# Altium PCB Audio_Research.PcbDoc (part 4 of 4)
Units mil, origin at the board's own origin, x right, y up, seen from the top; angles counter-clockwise.
Board outline 4000 x 3000 mil, 4 copper layers (Top Layer, Signal Layer 1, Signal Layer 2, Bottom Layer), stack 64.6 mil thick; 296 components, 284 nets, 1359 pads, 585 vias.
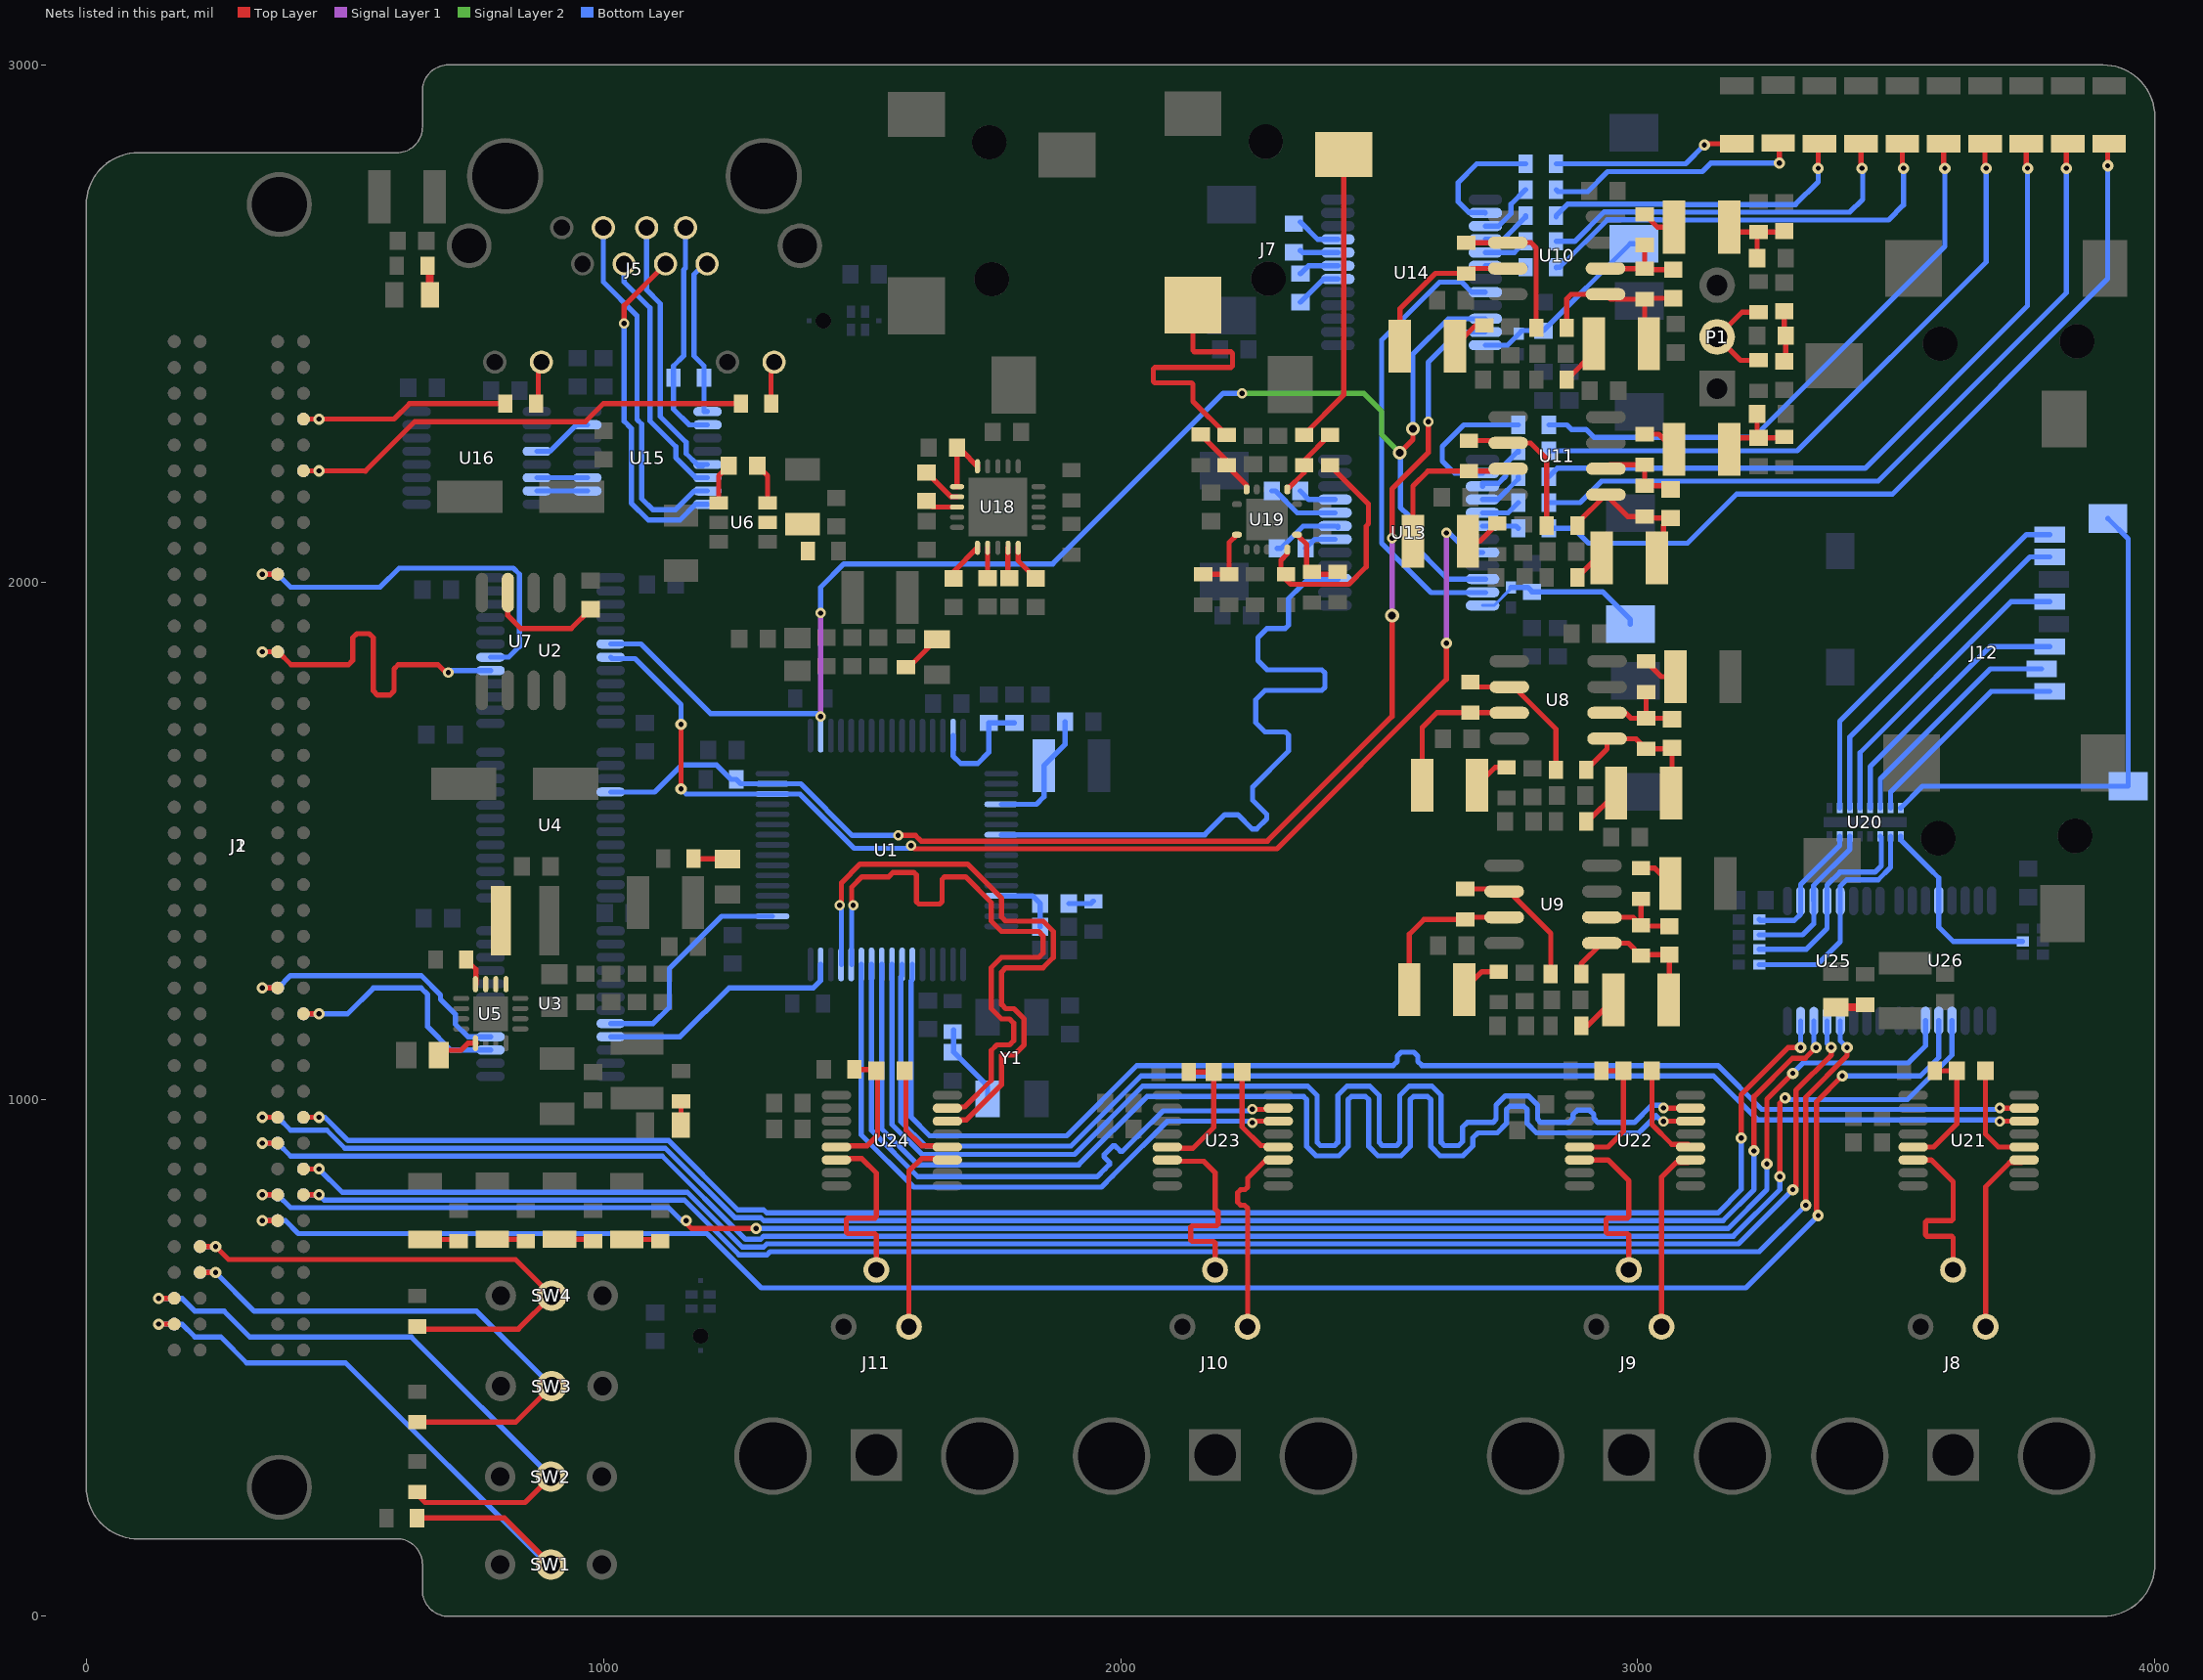
[diagram p6: the nets of this part, all layers, seen from the top]

## Via types
v1: diameter 22, hole 10, Top Layer to Bottom Layer, tented both sides, 366 vias
v2: diameter 20, hole 10, Top Layer to Bottom Layer, tented both sides, 170 vias
v3: diameter 27, hole 15, Top Layer to Bottom Layer, tented both sides, 32 vias
v4: diameter 30, hole 15, Top Layer to Bottom Layer, tented both sides, 7 vias
v5: diameter 75, hole 50, Top Layer to Bottom Layer, tented both sides, 4 vias
v6: diameter 20, hole 10, Top Layer to Bottom Layer, 3 vias
v7: diameter 35, hole 15, Top Layer to Bottom Layer, tented both sides, 3 vias

## Nets (pads, with @x,y where several pads share a name; then routed paths per layer and width w, separated by ;. In a path a pad name is that pad's centre, name@x,y a point inside that pad or via, vN(x,y) a via of type N, cw(c..) or ccw(c..) an arc to the next point about the centre after c; other vN are vias at no path point) (continued)
MIC_PREAMP.MIC_PREAMP_R_P: U1.55 U13.15 | length 1456.1
  Bottom Layer w10: U1.55@1769.31,1511.24 2162.96,1511.24 2201.66,1549.95 2226.92,1549.95 2254.41,1522.46 2263.09,1522.46 2282.69,1542.06 2282.69,1550.74 2255.2,1578.23 2255.2,1603.49 2324.83,1673.12 2324.83,1704.12 2318.69,1710.26 2279.38,1710.26 2261.52,1728.12 2261.52,1772.4 2279.38,1790.26 2389.09,1790.26 2395.24,1796.4 2395.24,1824.12 2389.09,1830.26 2283.34,1830.26 2265.48,1848.12 2265.48,1892.4 2283.34,1910.26 2318.69,1910.26 2324.83,1916.4 2324.83,1968.12 2350.54,1993.83 2361.99,2005.28 U13.15@2420.47,2005.28
NetC2_2: C2.2 R1.1 Y1.3 | length 160.1
  Bottom Layer w10: R1.1@1677.28,1133.75 1677.28,1090.84 1742.8,1025.33 Y1.3@1742.8,1000.8
NetC3_2: C3.2 C5.1 U1.52 | length 250.6
  Bottom Layer w10: U1.52@1769.31,1570.3 1837.33,1570.3 1851.85,1584.81 C5.1@1851.85,1645 1892.44,1685.59 C3.2@1892.44,1730
NetC4_2: C4.2 C6.2 U1.61 | length 126.6
  Bottom Layer w10: U1.61@1769.31,1393.13 1829.87,1393.13 C6.2@1844.72,1378.28 C4.2@1844.72,1333.28
NetC6_1: C6.1 R2.2 | length 49.3
  Bottom Layer w10: C6.1@1899.84,1378.28 1942.76,1378.28 R2.2@1947.28,1382.81
NetC9_2: C9.2 C10.1 U1.47 | length 230.2
  Bottom Layer w10: U1.47@1676.01,1702.96 1676.01,1663.93 1690.96,1648.99 1723.65,1648.99 1745,1670.33 C10.1@1745,1727.44 C9.2@1795,1727.44
NetC27_2: C27.2 R6.1 U6.2
NetC33_2: C33.2 U5.9 | length 77.5
  Top Layer w10: C33.2@681.5,1094.53 724.53,1094.53 738.07,1108.07 U5.9@753.39,1108.07
NetC34_1: C34.1 U6.3 | length 80.5
  Top Layer w10: C34.1@1297.56,2225 1317.24,2205.31 U6.3@1317.24,2152.64
NetC34_2: C34.2 U6.4 | length 80.5
  Top Layer w10: U6.4@1222.76,2152.64 1222.76,2205.31 C34.2@1242.44,2225
NetC47_2: C47.2 U7.3 | length 230.4
  Top Layer w10: U7.3@815,1979.49 815,1935 840,1910 937.56,1910 C47.2@975,1947.44
NetC50_1: C50.1 R21.1 R22.2 U8.2 | length 181.6
  Top Layer w10: U8.2@2940.87,1747.01 2976.38,1747.01 2986.85,1736.54 R21.1@3016.38,1736.54 ; R22.2@3016.38,1787.48 R21.1@3016.38,1736.54 ; C50.1@3066.38,1734.57 3064.41,1736.54 R21.1@3016.38,1736.54
NetC50_2: C50.2 C54.1 R21.2 R24.1 U8.1 | length 299.2
  Top Layer w10: R24.1@2900.91,1637.01 2940.87,1676.97 U8.1@2940.87,1697.01 2996.85,1697.01 R21.2@3016.38,1677.48 3064.41,1677.48 C50.2@3066.38,1679.45 3066.38,1593.86 C54.1@3064.53,1592.01
NetC53_2: C53.2 R22.1 | length 69.1
  Top Layer w10: R22.1@3016.38,1846.54 3045.91,1817.01 C53.2@3073.23,1817.01
NetC54_2: C54.2 R23.1 | length 80.1
  Top Layer w10: R23.1@2900.91,1537.01 2903.23,1537.01 C54.2@2958.23,1592.01
NetC56_1: C56.1 R25.2 U8.7 | length 292.6
  Top Layer w10: C56.1@2583.23,1607.01 2583.23,1718.86 2611.85,1747.48 R25.2@2676.38,1747.48 2751.42,1747.48 U8.7@2751.89,1747.01
NetC56_2: C56.2 R26.1 | length 71.2
  Top Layer w10: C56.2@2689.53,1607.01 2724.06,1641.54 R26.1@2746.38,1641.54
NetC59_1: C59.1 R27.1 R28.2 U9.2 | length 188.6
  Top Layer w10: U9.2@2930.87,1351.69 2991.22,1351.69 R27.1@3006.38,1336.54 ; R28.2@3006.38,1387.48 R27.1@3006.38,1336.54 ; C59.1@3061.38,1334.57 3008.35,1334.57 R27.1@3006.38,1336.54
NetC59_2: C59.2 C63.1 R27.2 R30.2 U9.1 | length 305.8
  Top Layer w10: R30.2@2890.91,1242.01 2890.91,1261.73 U9.1@2930.87,1301.69 2982.17,1301.69 R27.2@3006.38,1277.48 3008.35,1279.45 C59.2@3061.38,1279.45 3061.38,1193.86 C63.1@3059.53,1192.01
NetC61_2: C61.2 R28.1 | length 69.2
  Top Layer w10: R28.1@3006.38,1446.54 3033.39,1446.54 C61.2@3063.23,1416.69
NetC63_2: C63.2 R29.1 | length 83
  Top Layer w10: R29.1@2890.91,1142.01 2903.23,1142.01 C63.2@2953.23,1192.01
NetC65_1: C65.1 R31.2 U9.7 | length 304.1
  Top Layer w10: C65.1@2558.23,1212.01 2558.23,1318.86 2586.85,1347.48 R31.2@2666.38,1347.48 2670.59,1351.69 U9.7@2741.89,1351.69
NetC65_2: C65.2 R32.1 | length 81.2
  Top Layer w10: C65.2@2664.53,1212.01 2699.06,1246.54 R32.1@2731.38,1246.54
NetC68_1: C68.1 R33.1 R34.2 U10.2 | length 177.8
  Top Layer w10: U10.2@2937.83,2606.34 2938.31,2605.87 R33.1@3013.66,2605.87 ; R34.2@3013.66,2651.81 R33.1@3013.66,2605.87 ; C68.1@3068.66,2603.9 3015.63,2603.9 R33.1@3013.66,2605.87
NetC68_2: C68.2 C73.1 R33.2 R36.1 U10.1 | length 359.9
  Top Layer w10: R36.1@2862.87,2491.34 2862.87,2547.87 2871.34,2556.34 U10.1@2937.83,2556.34 2947.36,2546.81 R33.2@3013.66,2546.81 ; C73.1@3021.5,2460.71 3013.66,2468.55 R33.2@3013.66,2546.81 ; C68.2@3068.66,2548.78 3015.63,2548.78 R33.2@3013.66,2546.81
NetC71_2: C71.2 C72.1 C74.1 R37.2 | length 163.1
  Top Layer w10: C72.1@3176.81,2686.34 3186.34,2676.81 R37.2@3233.66,2676.81 ; C71.2@3231.1,2626.34 3231.1,2674.25 R37.2@3233.66,2676.81 ; C74.1@3283.66,2678.78 3281.69,2676.81 R37.2@3233.66,2676.81
NetC72_2: C72.2 R34.1 | length 67
  Top Layer w10: R34.1@3013.66,2710.87 3038.19,2686.34 C72.2@3070.51,2686.34
NetC73_2: C73.2 R35.1 | length 91
  Top Layer w10: R35.1@2862.87,2391.34 2915.2,2443.66 C73.2@2915.2,2460.71
NetC77_1: C77.1 R38.2 U10.7 | length 312.9
  Top Layer w10: C77.1@2540.2,2456.34 2540.2,2528.2 2608.82,2596.82 R38.2@2668.66,2596.82 2678.18,2606.34 U10.7@2748.86,2606.34
NetC77_2: C77.2 R39.1 | length 73.2
  Top Layer w10: C77.2@2646.5,2456.34 2686.02,2495.87 R39.1@2703.35,2495.87
NetC79_1: C79.1 C80.1 C82.2 | length 99.1
  Top Layer w10: C82.2@3283.65,2426.84 3286.22,2429.41 C80.1@3286.22,2476.34 3283.66,2478.9 C79.1@3283.66,2523.78
NetC83_1: C83.1 R42.1 R43.2 U11.2 | length 172.3
  Top Layer w10: U11.2@2938.46,2218.9 2946.38,2226.81 R43.2@3013.66,2226.81 R42.1@3013.66,2185.87 3056.69,2185.87 C83.1@3063.66,2178.9
NetC83_2: C83.2 C88.1 R42.2 R45.1 U11.1 | length 315.3
  Top Layer w10: R45.1@2883.19,2108.9 2883.19,2113.62 U11.1@2938.46,2168.9 2980.55,2126.81 R42.2@3013.66,2126.81 3016.69,2123.78 C83.2@3063.66,2123.78 3050,2110.12 3050,2059.53 C88.1@3036.81,2046.34
NetC86_2: C86.2 C87.1 C89.1 R46.2 | length 164.2
  Top Layer w10: C87.1@3176.81,2256.34 3199.37,2278.9 C89.1@3233.66,2278.9 ; C86.2@3231.1,2325.04 3231.1,2281.46 C89.1@3233.66,2278.9 ; R46.2@3283.66,2280.87 3281.69,2278.9 C89.1@3233.66,2278.9
NetC87_2: C87.2 R43.1 | length 69.1
  Top Layer w10: R43.1@3013.66,2285.87 3040.98,2285.87 C87.2@3070.51,2256.34
NetC88_2: C88.2 R44.1 | length 62.8
  Top Layer w10: R44.1@2883.19,2008.9 2920.63,2046.34 C88.2@2930.51,2046.34
NetC91_1: C91.1 R47.2 U11.7 | length 304.4
  Top Layer w10: C91.1@2565.51,2078.9 2565.51,2185.51 2594.37,2214.37 R47.2@2673.66,2214.37 2744.96,2214.37 U11.7@2749.49,2218.9
NetC91_2: C91.2 R48.1 | length 71
  Top Layer w10: C91.2@2671.81,2078.9 2694.61,2078.9 R48.1@2728.66,2112.95
NetC95_2: C95.2 C98.2 R49.2 U13.12 | length 336.2
  Bottom Layer w6: U13.12@2700,1954.68 2722.28,1954.68 2755,1987.4 R49.2@2755,1989.69
  Bottom Layer w10: R49.2@2755,1989.69 2787.25,1989.69 C98.2@2795.83,1981.1 2932.18,1981.1 2985.83,1927.45 C95.2@2985.83,1918.66
NetC101_1: C101.1 U13.21 | length 73.9
  Bottom Layer w10: C101.1@2347.56,2176.02 2364.17,2159.41 U13.21@2414.57,2159.41
NetC101_2: C101.2 U13.20 | length 139.6
  Bottom Layer w10: C101.2@2292.44,2176.02 2299.58,2176.02 2341.79,2133.82 U13.20@2414.57,2133.82
NetC102_1: C102.1 U13.18 | length 64.3
  Bottom Layer w10: C102.1@2357.56,2065 2375.2,2082.64 U13.18@2414.57,2082.64
NetC102_2: C102.2 U13.19 | length 132.2
  Bottom Layer w10: C102.2@2302.44,2065 2309.95,2065 2353.18,2108.23 U13.19@2414.57,2108.23 ; U13.19@2420.47,2105.51 U13.19@2420.47,2107.64
NetC104_2: C104.2 C107.2 R55.2 U14.12 | length 368.5
  Bottom Layer w10: U14.12@2705.43,2457.91 2748.23,2457.91 R55.2@2770,2479.69 2776.42,2486.1 C107.2@2817.72,2486.1 2985.71,2654.09 C104.2@2992.72,2654.09
NetC110_1: C110.1 U14.21 | length 86.2
  Bottom Layer w10: C110.1@2347.72,2696.26 2381.34,2662.64 U14.21@2420,2662.64
NetC110_2: C110.2 U14.20 | length 74
  Bottom Layer w10: C110.2@2347.72,2641.14 2351.81,2637.05 U14.20@2420,2637.05
NetC111_1: C111.1 U14.18 | length 90.8
  Bottom Layer w10: C111.1@2347.72,2541.14 2392.44,2585.87 U14.18@2420,2585.87
NetC111_2: C111.2 U14.19 | length 78.6
  Bottom Layer w10: C111.2@2347.72,2596.26 2362.91,2611.46 U14.19@2420,2611.46
NetC118_1: C118.1 U18.18 | length 64.3
  Top Layer w10: C118.1@1624.45,2156.81 1636.26,2145 U18.18@1683.9,2145
NetC118_2: C118.2 U18.17 | length 79
  Top Layer w10: C118.2@1624.45,2211.93 1671.69,2164.68 U18.17@1683.9,2164.68
NetC119_1: C119.1 U18.15 U18.16 | length 121.1
  Top Layer w10: U18.16@1683.9,2184.37 1683.9,2253.66 1693.35,2253.66 U18.15@1723.27,2223.74
NetC120_2: C120.2 U18.1 | length 78.3
  Top Layer w10: C120.2@1677.28,2007.05 1677.28,2020.28 U18.1@1723.27,2066.26
NetC121_2: C121.2 U18.2 | length 58.9
  Top Layer w10: C121.2@1742.79,2007.4 1742.95,2007.56 U18.2@1742.95,2066.26
NetC124_2: C124.2 U18.4 | length 60
  Top Layer w10: U18.4@1782.32,2066.26 1782.32,2010.08 C124.2@1785,2007.4
NetC125_2: C125.2 U18.5 | length 74.8
  Top Layer w10: U18.5@1802.01,2067.64 1802.01,2040.94 C125.2@1836.03,2006.92
NetC131_1: C131.1 R76.1 U21.13 | length 248.8
  Top Layer w10: U21.13@3532.72,907.5 3572.5,907.5 3617.44,952.44 C131.1@3617.44,1055 R76.1@3574.53,1055
NetC131_2: C131.2 U21.4 | length 207.6
  Top Layer w10: C131.2@3672.56,1055 3672.56,932.44 3697.5,907.5 U21.4@3747.28,907.5
NetC134_1: C134.1 R77.1 U22.13 | length 257.6
  Top Layer w10: U22.13@2887.72,907.5 2942.5,907.5 2972.44,937.44 C134.1@2972.44,1055 R77.1@2929.53,1055
NetC134_2: C134.2 U22.4 | length 196.7
  Top Layer w10: C134.2@3027.56,1055 3027.56,951.16 3066.07,912.64 3097.14,912.64 U22.4@3102.28,907.5
NetC137_1: C137.1 R78.1 U23.13 | length 261.6
  Top Layer w10: U23.13@2090.43,905 2140,905 2180.16,945.16 C137.1@2180.16,1052.5 R78.1@2132.24,1052.5
NetC137_2: C137.2 U23.4 | length 193.5
  Top Layer w10: C137.2@2235.28,1052.5 2235,1052.22 2235,946.22 2271.07,910.14 2299.86,910.14 U23.4@2305,905
NetC140_1: C140.1 R79.1 U24.13 | length 253.1
  Top Layer w10: U24.13@1450.43,910 1510,910 1530,930 1530,1057.5 R79.1@1492.24,1057.5
NetC140_2: C140.2 U24.4 | length 199.7
  Top Layer w10: C140.2@1585,1047.22 1585,940 1615,910 U24.4@1665,910
NetD1_1: D1.1 R8.1 | length 45.7
  Top Layer w10: D1.1@1149.45,950 1150,950.55 R8.1@1150,995.47
NetD2_1: D2.1 R9.1 | length 58.5
  Top Layer w15: R9.1@659.53,2611.46 664.45,2606.54 D2.1@664.45,2555
NetD3_1: D3.1 R10.1 | length 52
  Top Layer w15: D3.1@3383,1177.72 R10.1@3434.95,1177.72
NetD4_1: D4.1 R11.1 | length 82.4
  Top Layer w10: R11.1@1585,1835.47 1591.02,1835.47 D4.1@1645,1889.45
NetD5_1: D5.1 R12.1 | length 67.2
  Top Layer w10: R12.1@1174.45,1468.53 1177.98,1465 1179.53,1465 1239.45,1465 D5.1@1240,1464.45
NetD6_1: D6.1 R13.1 | length 66.4
  Top Layer w10: D6.1@655,728.58 716.57,728.58 R13.1@720,725.16
NetD7_1: D7.1 R14.1 | length 66.4
  Top Layer w10: D7.1@785,729.06 846.57,729.06 R14.1@850,725.63
NetD8_1: D8.1 R17.1 | length 66.4
  Top Layer w10: D8.1@915,729.06 976.57,729.06 R17.1@980,725.63
NetD9_1: D9.1 R18.1 | length 66.4
  Top Layer w10: D9.1@1045,728.58 1106.57,728.58 R18.1@1110,725.16
NetD10_1: D10.1 R50.1 | length 1566.7
  Top Layer w10: v1(3909,2805) 3909,2844.84 D10.1@3911.72,2847.56
  Bottom Layer w10: R50.1@2828.24,2103.66 2876.34,2103.66 2905,2075 3096.34,2075 3191.34,2170 3492.55,2170 3909,2586.45 v1(3909,2805)
NetD11_1: D11.1 R51.1 | length 1458.3
  Top Layer w10: v1(3829,2800) 3829,2844.84 D11.1@3831.72,2847.56
  Bottom Layer w10: R51.1@2828.24,2153.66 2888.66,2153.66 2930,2195 3465,2195 3829,2559 v1(3829,2800)
NetD12_1: D12.1 R52.1 | length 1377.1
  Top Layer w10: D12.1@3751.72,2847.56 3751.72,2802.28 v1(3754,2800)
  Bottom Layer w10: R52.1@2828.24,2203.66 2844.57,2220 3440,2220 3754,2534 v1(3754,2800)
NetD13_1: D13.1 R53.1 | length 1226.6
  Top Layer w10: D13.1@3671.72,2847.56 3671.72,2802.28 v1(3674,2800)
  Bottom Layer w10: R53.1@2828.24,2253.66 3308.66,2253.66 3674,2619 v1(3674,2800)
NetD14_1: D14.1 R54.1 | length 1128
  Top Layer w10: D14.1@3591.72,2847.56 3591.72,2802.28 v1(3594,2800)
  Bottom Layer w10: R54.1@2828.24,2303.66 2863.05,2303.66 2871.72,2295 2900,2295 2915.12,2279.88 3224.88,2279.88 3594,2649 v1(3594,2800)
NetD15_1: D15.1 R56.1 | length 842.5
  Top Layer w10: D15.1@3511.72,2847.56 3511.72,2802.28 v1(3514,2800)
  Bottom Layer w10: R56.1@2842.24,2607.68 R56.1@2842.24,2608.66 2849.48,2608.66 2941.33,2700.51 3044.1,2700.51 3044.61,2700 3485,2700 3514,2729 v1(3514,2800)
NetD16_1: D16.1 R57.1 | length 735.4
  Top Layer w10: D16.1@3431.72,2847.56 3431.72,2802.28 v1(3434,2800)
  Bottom Layer w10: R57.1@2842.24,2658.66 2878.27,2658.66 2935.12,2715.51 3050.32,2715.51 3050.83,2715 3410,2715 3435,2740 v1@3435,2800
NetD17_1: D17.1 R58.1 | length 611.3
  Top Layer w10: v1(3349,2800) 3349,2844.84 D17.1@3351.72,2847.56
  Bottom Layer w10: R58.1@2842.24,2706.24 R58.1@2842.24,2708.66 2864.09,2730.51 3056.53,2730.51 3057.04,2730 3305,2730 3349,2774 v1(3349,2800)
NetD18_1: D18.1 R59.1 | length 495.7
  Top Layer w10: D18.1@3271.72,2848.66 3274,2846.38 v1(3274,2810)
  Bottom Layer w10: R59.1@2842.24,2758.66 2845.91,2755 2903.28,2755 2941.95,2793.66 3124.87,2793.66 3141.21,2810 v1(3274,2810)
NetD19_1: D19.1 R60.1 | length 365.6
  Top Layer w10: v1(3129,2845) 3131.56,2847.56 D19.1@3191.72,2847.56
  Bottom Layer w10: R60.1@2842.24,2808.66 3092.66,2808.66 v1(3129,2845)
NetJ5_9: J5.9 R62.2 | length 87.7
  Top Layer w10: R62.2@1324.06,2340 1324.06,2419.29 J5.9@1330,2425.24
NetJ5_11: J5.11 R63.2 | length 87.7
  Top Layer w10: R63.2@874.06,2340 874.06,2419.29 J5.11@880,2425.24
NetJ7_2: J7.2 R69.2 | length 573.7
  Top Layer w10: J7.2@2140,2535.39 2140,2460 2140,2448 2143,2445 2213.61,2445 2216.61,2442 2216.61,2418 2213.61,2415 2140,2415 2066.39,2415 2063.39,2412 2063.39,2388 2066.39,2385 2137,2385 2140,2382 2140,2365 2140,2349.53 R69.2@2205,2284.53
NetJ7_3: J7.3 R72.2 | length 573.4
  Top Layer w10: R72.2@2355,2285 2431.34,2361.34 J7.3@2431.34,2826.73
NetJ8_2: J8.2 U21.14 | length 365
  Top Layer w10: U21.14@3532.72,882.5 3567.5,882.5 3610,840 3610,805 3610,768 3607,765 3559.45,765 3556.45,762 3556.45,738 3559.45,735 3607,735 3610,732 3610,720 J8.2@3610,670
NetJ8_3: J8.3 U21.3 | length 366.6
  Top Layer w10: J8.3@3673,560 3673,830.99 3719.37,877.36 3742.14,877.36 U21.3@3747.28,882.5
NetJ9_2: J9.2 U22.14 | length 365
  Top Layer w10: U22.14@2887.72,882.5 2942.5,882.5 2983,842 2983,800 2983,773 2980,770 2942.03,770 2939.03,767 2939.03,743 2942.03,740 2980,740 2983,737 2983,725 J9.2@2983,670
NetJ9_3: J9.3 U22.3 | length 359.2
  Top Layer w10: J9.3@3046,560 3046,848.99 3074.37,877.36 3097.14,877.36 U22.3@3102.28,882.5
NetJ10_2: J10.2 U23.14 | length 388.1
  Top Layer w10: U23.14@2090.43,880 2161,880 2182.72,858.28 2182.72,800 2182.72,788 2185.72,785 2188.72,782 2188.72,758 2185.72,755 2182.72,755 2138.43,755 2135.43,752 2135.43,728 2138.43,725 2179.72,725 2182.72,722 2182.72,710 J10.2@2182.72,670 J10.2@2182.72,667.5
NetJ10_3: J10.3 U23.3 | length 387.9
  Top Layer w10: J10.3@2245.72,557.5 J10.3@2245.72,560 2245.72,655 2245.72,692.09 2245.72,707.09 2245.72,737.09 2245.72,750 2245.72,765 2245.72,789 2239.72,795 2232.34,795 2226.34,801 2226.34,819 2232.34,825 2240.72,825 2245.72,830 2245.72,847.33 2278.39,880 U23.3@2305,880
NetJ11_2: J11.2 U24.14 | length 387.6
  Top Layer w10: U24.14@1450.43,885 1500,885 1527.72,857.28 1527.72,795 1527.72,773 1524.72,770 1472.7,770 1469.7,767 1469.7,743 1472.7,740 1524.72,740 1527.72,737 1527.72,725 J11.2@1527.72,667.5
NetJ11_3: J11.3 U24.3 | length 387.6
  Top Layer w10: J11.3@1590.72,557.5 1590.72,860.72 1615,885 U24.3@1665,885
NetL1_1: L1.1 U5.1 U5.2 U5.3
NetP1_2: P1.2 R40.1 R41.2 | length 198.5
  Top Layer w10: R41.2@3233.66,2428.81 3198.75,2428.81 P1.2@3153.66,2473.9 3201.57,2521.81 R40.1@3233.66,2521.81
NetR7_1: R7.1 U5.4 | length 55.6
  Top Layer w10: R7.1@734.53,1270 753.39,1251.14 U5.4@753.39,1222.24
NetR24_2: R24.2 R25.1 U8.6 | length 281.9
  Top Layer w10: R25.1@2676.38,1806.54 2685.91,1797.01 U8.6@2751.89,1797.01 2760.72,1797.01 2841.85,1715.88 R24.2@2841.85,1637.01
NetR30_1: R30.1 R31.1 U9.6 | length 279.6
  Top Layer w10: R31.1@2666.38,1406.54 2737.05,1406.54 U9.6@2741.89,1401.69 2750.72,1401.69 2831.85,1320.57 R30.1@2831.85,1242.01
NetR36_2: R36.2 R38.1 U10.6 | length 294.4
  Top Layer w10: R38.1@2668.66,2655.87 2748.39,2655.87 U10.6@2748.86,2656.34 2793.66,2656.34 2803.82,2646.18 R36.2@2803.82,2491.34
NetR45_2: R45.2 R47.1 U11.6 | length 294
  Top Layer w10: R47.1@2673.66,2273.43 2744.96,2273.43 U11.6@2749.49,2268.9 2792.83,2268.9 2824.13,2237.6 R45.2@2824.13,2108.9
NetR50_2: R50.2 U13.6 | length 71.1
  Bottom Layer w10: U13.6@2700,2108.23 2764.61,2108.23 R50.2@2769.18,2103.66
NetR51_2: R51.2 U13.5 | length 77.4
  Bottom Layer w10: U13.5@2700,2133.82 2749.34,2133.82 R51.2@2769.18,2153.66
NetR52_2: R52.2 U13.4 | length 90.6
  Bottom Layer w10: U13.4@2700,2159.41 2729.29,2159.41 2769.18,2199.3 R52.2@2769.18,2203.66 R52.2@2768.66,2203.66
NetR53_2: R53.2 U13.3 | length 117.5
  Bottom Layer w10: U13.3@2700,2185 2700,2190.75 2730.86,2190.75 2742.48,2202.37 2742.48,2202.48 2745,2205 2745,2229.48 R53.2@2769.18,2253.66 R53.2@2769.18,2251.51
NetR54_2: R54.2 U13.2 | length 280
  Bottom Layer w10: U13.2@2700,2210.59 2645.6,2210.59 2622.03,2234.16 2622.03,2262.03 2663.66,2303.66 R54.2@2769.18,2303.66
NetR56_2: R56.2 U14.6 | length 78.9
  Bottom Layer w10: U14.6@2705.43,2611.46 2780.39,2611.46 R56.2@2783.19,2608.66
NetR57_2: R57.2 U14.5 | length 92.3
  Bottom Layer w10: U14.5@2705.43,2637.05 2761.57,2637.05 R57.2@2783.19,2658.66 R57.2@2779.21,2662.64
NetR58_2: R58.2 U14.4 | length 98.7
  Bottom Layer w10: U14.4@2705.43,2662.64 2740.44,2662.64 2783.19,2705.39 R58.2@2783.19,2708.66
NetR59_2: R59.2 U14.3 | length 117.5
  Bottom Layer w10: U14.3@2705.43,2688.23 2730.75,2688.23 2755,2712.48 2755,2730.47 R59.2@2783.19,2758.66
NetR60_2: R60.2 U14.2 | length 244.1
  Bottom Layer w10: U14.2@2705.43,2713.82 2704.52,2714.73 2673.5,2714.73 2652.95,2735.28 2652.95,2772.95 2688.66,2808.66 R60.2@2783.19,2808.66
NetR66_1: R66.1 R68.2 U19.1 | length 132.6
  Top Layer w10: R66.1@2160,2015 R68.2@2210,2015 2210,2076.42 U19.1@2225,2091.42
NetR67_2: R67.2 R69.1 U19.13 | length 133.2
  Top Layer w10: R67.2@2155,2285 R69.1@2205,2235 ; R69.1@2205,2225.47 2243.7,2186.77 U19.13@2243.7,2179.02
NetR72_1: R72.1 R74.1 U19.9 | length 140.2
  Top Layer w10: U19.9@2322.44,2179.02 2355,2211.57 2355,2225.95 2355,2235 R74.1@2405,2285
NetR73_2: R73.2 R75.2 U19.7 | length 134.2
  Top Layer w10: U19.7@2341.14,2091.42 2360,2072.56 2360,2015 R75.2@2410,2015
NetR80_1: R80.1 U20.2 U25.13 | length 454.6
  Bottom Layer w10: R80.1@3235.04,1260 3347.21,1260 3391.88,1304.68 U25.13@3391.88,1383.14 3391.88,1411.88 3404,1424 3464.91,1424 3489.06,1448.14 U20.2@3489.06,1508
NetR81_1: R81.1 U20.3 U25.12 | length 409.2
  Bottom Layer w10: R81.1@3235.04,1290 3326.29,1290 3366.29,1330 U25.12@3366.29,1383.14 3366.29,1413.79 3391.5,1439 3458.7,1439 3471,1451.3 3471,1506.37 U20.3@3469.37,1508
NetR84_1: R84.1 U20.6 U25.11 | length 312.8
  Bottom Layer w10: R84.1@3235.04,1317.56 3319.06,1317.56 3340.7,1339.21 U25.11@3340.7,1383.14 3340,1383.84 3340,1412.71 3410.32,1483.02 U20.6@3410.32,1508